# Altium PCB AFE.PcbDoc (part 2 of 2)
Units mm, origin at the board's own origin, x right, y up, seen from the top; angles counter-clockwise.
Board outline 100 x 70 mm, 4 copper layers (Top Layer, Ground, Signal, Bottom Layer), stack 0.778 mm thick; 154 components, 163 nets, 668 pads, 131 vias.
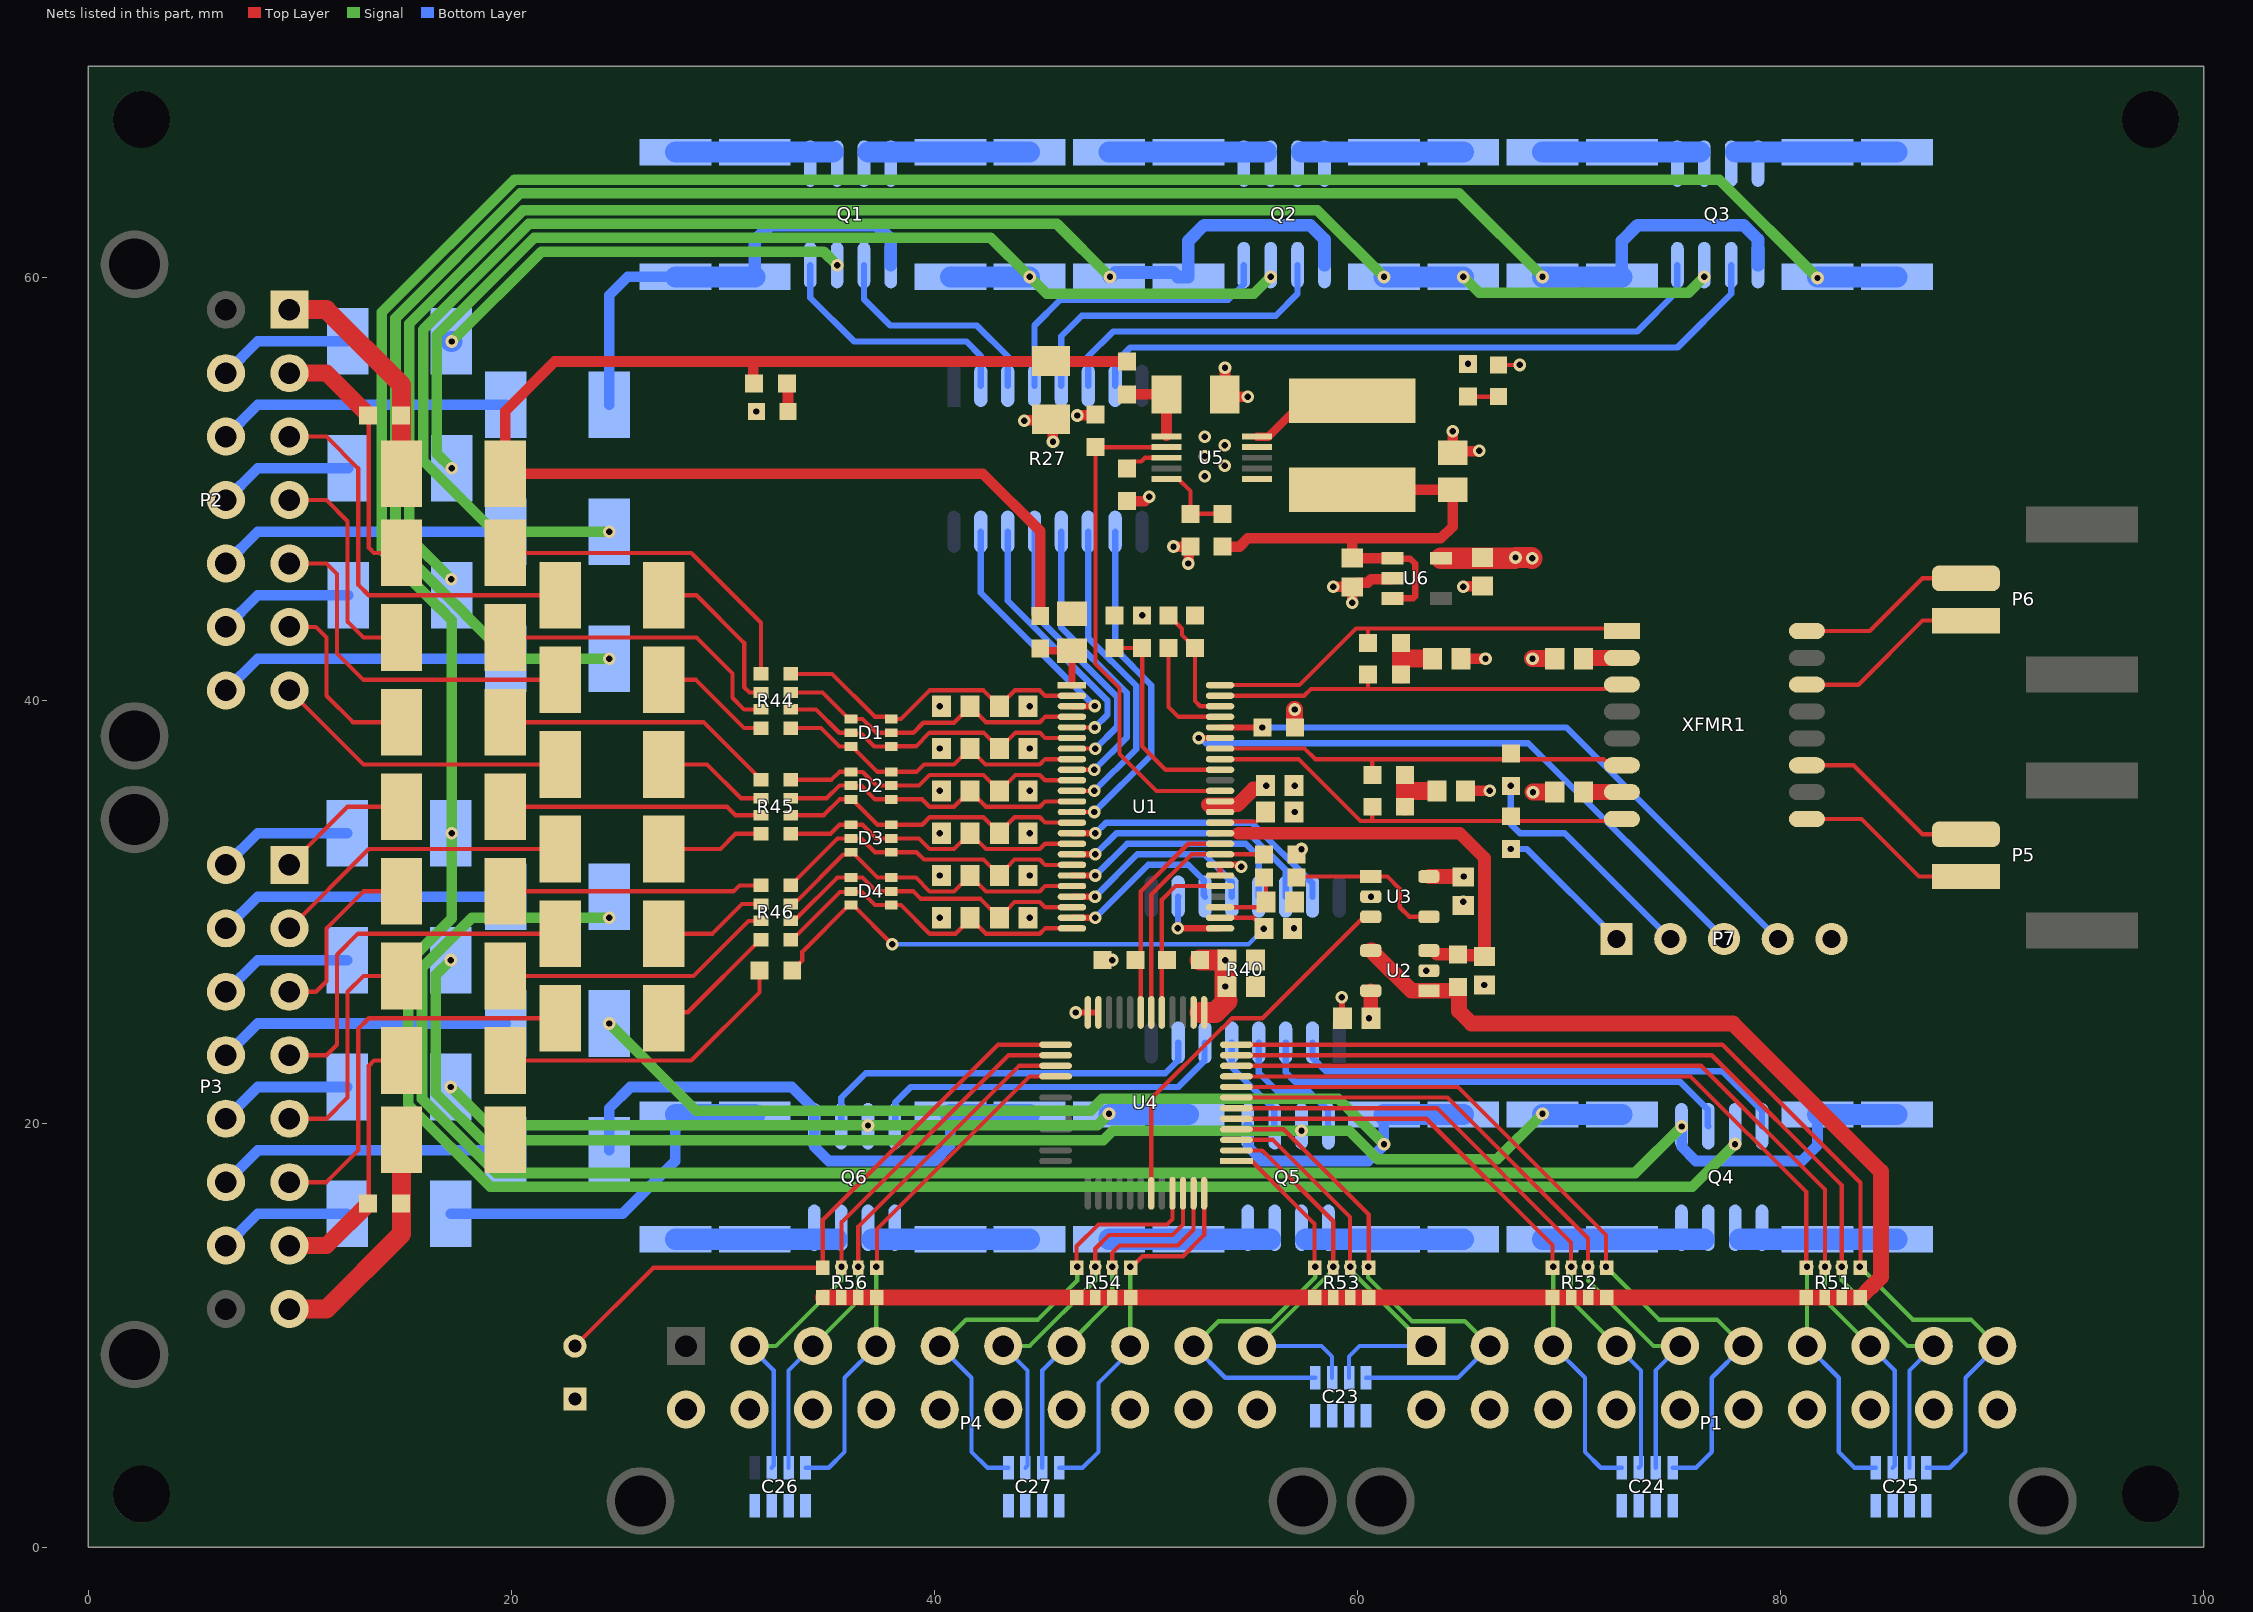
[diagram p4: the nets of this part, all layers, seen from the top]

## Part data (continued)
U5: "Buck Switching Regulator IC Positive Adjustable 0.8V 1 Output 100mA 10-TFSOP, 10-MSOP (0.118\", 3.00mm Width)", Current - Output=100mA, Frequency - Switching="100kHz ~ 2.2MHz", Manufacturer 1="Maxim Integrated", Manufacturer Part Number 1=MAX17552AUB+, Operating Temperature="-40°C ~ 125°C (TJ)", Package / Case="10-TFSOP, 10-MSOP (0.118\", 3.00mm Width)", Supplier Device Package=10-uMAX, Supplier Part Number 1=MAX17552AUB+-ND, Voltage - Input (Max)=60V, Voltage - Input (Min)=4V, Voltage - Output (Max)=54V, Voltage - Output (Min/Fixed)=0.8V, ComponentLink1Description=http://datasheets.maximintegrated.com/en/ds/MAX17552.pdf, ComponentLink1URL=http://datasheets.maximintegrated.com/en/ds/MAX17552.pdf, Function=Step-Down, Mounting Type="Surface Mount", Number of Outputs=1, Output Configuration=Positive, Output Type=Adjustable, Packaging=Tube, Part Status=Active, Supplier 1=Digi-Key, Synchronous Rectifier=Yes, Topology=Buck
U6: "Linear Voltage Regulator IC Positive Fixed Output 5V 100mA SOT-23-5", Current - Limit (Min)=-, Current - Output=100mA, Manufacturer 1=STMicroelectronics, Manufacturer Part Number 1=LD2981CM50TR, Operating Temperature="-40°C ~ 125°C", Package / Case="SC-74A, SOT-753", Supplier Device Package=SOT-23-5, Supplier Part Number 1=497-7787-1-ND, Voltage - Dropout (Typical)="0.18V @ 100mA", Voltage - Input="Up to 16V", Voltage - Output=5V, ComponentLink1Description=http://www.st.com/content/ccc/resource/technical/document/datasheet/group1/b7/b5/a1/83/9c/bd/4a/90/CD00001635/files/CD00001635.pdf/jcr:content/translations/en.CD00001635.pdf, ComponentLink1URL=http://www.st.com/content/ccc/resource/technical/document/datasheet/group1/b7/b5/a1/83/9c/bd/4a/90/CD00001635/files/CD00001635.pdf/jcr:content/translations/en.CD00001635.pdf, Mounting Type="Surface Mount", Packaging="Cut Tape (CT)", Part Status=Active, Regulator Topology="Positive Fixed", Supplier 1=Digi-Key
XFMR1: "PULSE XFMR 1CT:1CT 350UH SMD", Inductance=350uH, Isolation Voltage=1.5kVrms, Manufacturer="Bourns Inc.", Supplier Part Number 1=PT61018AAPEL-SCT-ND, MFG_PN=PT61018AAPEL-S, Supplier=Digikey, Supplier 1=Digi-Key, Supplier_PN=PT61018AAPEL-SCT-ND

## Free pads (board coordinates)
  round 2.7 hole 2.7: ""(2.5,2.5) ""(2.5,67.5) ""(97.5,2.5) ""(97.5,67.5)

## Via types
v1: diameter 0.6, hole 0.3, Top Layer to Bottom Layer, tented both sides, 54 vias
v2: diameter 0.6, hole 0.3, Top Layer to Bottom Layer, tented bottom, 51 vias
v3: diameter 0.6, hole 0.3, Top Layer to Bottom Layer, tented top, 26 vias

## Nets (pads, with @x,y where several pads share a name; then routed paths per layer and width w, separated by ;. In a path a pad name is that pad's centre, name@x,y a point inside that pad or via, vN(x,y) a via of type N, cw(c..) or ccw(c..) an arc to the next point about the centre after c; other vN are vias at no path point)
3V0_VREF1: C3.1 U1.35 | length 2.4
  Top Layer w0.2: U1.35@53.5,34.25 54.052,34.25 54.104,34.302 55.252,34.302 55.65,34.7 C3.1@55.65,34.75
3V0_VREF2: R12.2 R51.5 R51.6 R51.7 R51.8 R52.5 R52.6 R52.7 R52.8 R53.5 R53.6 R53.7 R53.8 R54.5 R54.6 R54.7 R54.8 R56.5 R56.6 R56.7 R56.8 U2.1 U2.4 | length 84.7
  Top Layer w0.75: R56.5@34.72,11.8 R56.6@35.6,11.8 R56.7@36.4,11.8 R56.8@37.28,11.8 R54.5@46.72,11.8 R54.6@47.6,11.8 R54.7@48.4,11.8 R54.8@49.28,11.8 R53.7@59.65,11.8 R52.5@69.22,11.8 R52.6@70.1,11.8 R52.7@70.9,11.8 R52.8@71.78,11.8 R51.5@81.22,11.8 R51.6@82.1,11.8 R51.7@82.9,11.8 R51.8@83.78,11.8 84.303,12.323 84.318,12.323 84.75,12.754 84.75,17.75 77.75,24.75 65.39,24.75 64.8,25.34 64.8,26.425 R12.2@64.75,26.475 64.575,26.3 U2.1@63.375,26.3 62.55,26.3 60.75,28.1 60.75,28.125 60.675,28.2 U2.4@60.625,28.2
3V0_VREF2_UNBUFFERED: C4.1 R12.1 U1.34 U2.3 | length 20.1
  Top Layer w0.3: U1.34@53.5,33.75 54.361,33.75
  Top Layer w0.6: 54.377,33.75 64.824,33.75 66,32.574 66,28.025 65.95,27.975 64.8,27.975 R12.1@64.75,28.025 64.745,28.03 63.745,28.03 U2.3@63.575,28.2
5V0: C1.1 C5.1 C28.1 C30.1 C31.1 C36.1 R1.2 R3.2 R4.2 R5.1 R7.1 R10.2 U1.36 U1.37 U2.5 U3.5 U4.13 U4.14 U6.5 | length 16
  Top Layer w0.7: 52.955,35.098 54.335,35.098 55.087,35.85 55.55,35.85 55.684,35.984 v2(55.684,36) C5.1@55.65,36 ; C1.1@60.64,25 60.625,25.015 U2.5@60.625,26.3 U2.5@60.675,26.25 ; U3.5@63.375,31.7 v2(65.017,31.7)
  Top Layer w0.8: v1(57.027,39.598) 57.027,38.773 R7.1@57.05,38.75
  Top Layer w1: R4.2@52.55,27.75 v2(53.75,27.75) v2(53.75,26.5) 53.75,25.9 53.825,25.825 53.275,25.275 U4.13@52.75,25.275 52.552,25.275 ; U6.5@63.95,46.75 v1@67.433,46.75 ; v1(67.466,46.784) 68.221,46.784 v1(68.255,46.75)
  other v1: 65.225,55.94
  other v2: 60.54,25 48.4,27.75 57.355,32.998 49.817,44.05
+6V: C34.1 C35.1 L1.2 R60.2 U6.1 U6.3 | length 24.5
  Top Layer w0.3: U6.3@61.65,44.85 62.634,44.85 62.733,44.949 62.733,46.49 62.5,46.723 61.677,46.723 U6.1@61.65,46.75
  Top Layer w0.5: R60.2@53.608,47.3 54.42,47.3 54.806,47.686 63.94,47.686 64.5,48.246 C34.1@64.5,49.99 59.75,49.99 L1.2@59.75,50.08 ; 59.75,47.655 C35.1@59.75,46.75 U6.1@61.65,46.75
AFE_CELL_INPUT_0: C9.1 D4.3 R43.2 U1.26 | length 27.2
  Top Layer w0.2: R43.2@33.275,27.25 33.75,27.725 33.75,28.14 35.96,30.35 D4.3@36.05,30.35 36.14,30.35 37.99,28.5 v1(38,28.5) ; U1.26@53.5,29.75 55.075,29.75 55.175,29.65 55.225,29.65 55.575,29.3 C9.1@55.575,29.25 v2(55.575,29.229) C9.1@55.575,29.208
  Bottom Layer w0.2: v1(38,28.5) 54.846,28.5 v2(55.575,29.229)
AFE_CELL_INPUT_1: C18.1 D4.2 D4.4 R46.5 U1.24 | length 15.8
  Top Layer w0.2: R46.5@33.2,28.72 33.42,28.94 33.497,28.94 35.525,30.969 36.019,30.969 D4.2@36.05,31 36.081,30.969 36.571,30.969 37.189,30.35 D4.4@37.95,30.35 38.418,30.35 39.77,28.998 40.998,28.998 41.712,29.713 42.427,28.998 44.98,28.998 45.232,29.25 U1.24@46.5,29.25
AFE_CELL_INPUT_2: C15.1 D4.1 D4.5 R46.6 U1.22 | length 15.4
  Top Layer w0.2: R46.6@33.2,29.6 33.35,29.75 33.507,29.75 35.406,31.649 D4.1@36.05,31.65 36.601,31.649 37.25,31 D4.5@37.95,31 39,31 39.355,30.645 42.18,30.645 C15.1@43.075,29.75 43.777,30.502 44.98,30.502 45.232,30.25 U1.22@46.5,30.25
AFE_CELL_INPUT_3: C12.1 D3.3 D4.6 R46.7 U1.20 | length 15.8
  Top Layer w0.2: R46.7@33.2,30.4 33.35,30.55 33.497,30.55 35.687,32.74 36.03,32.74 36.14,32.85 36.175,32.815 36.175,32.785 37.31,31.65 D4.6@37.95,31.65 39.118,31.65 39.77,30.998 40.923,30.998 C12.1@41.675,31.75 41.677,31.752 42.432,30.998 44.98,30.998 45.232,31.25 U1.20@46.5,31.25
AFE_CELL_INPUT_4: C8.1 D3.2 D3.4 R46.8 U1.18 | length 15.4
  Top Layer w0.2: R46.8@33.2,31.28 35.42,33.5 D3.2@36.05,33.5 36.539,33.5 37.189,32.85 D3.4@37.95,32.85 39.15,32.85 39.498,32.502 42.323,32.502 C8.1@43.075,31.75 43.777,32.502 44.98,32.502 45.232,32.25 U1.18@46.5,32.25
AFE_CELL_INPUT_5: C17.1 D3.1 D3.5 R45.5 U1.16 | length 14.7
  Top Layer w0.2: R45.5@33.2,33.72 35.08,33.72 35.509,34.149 D3.1@36.05,34.15 36.601,34.149 37.25,33.5 D3.5@37.95,33.5 39.268,33.5 39.77,32.998 40.923,32.998 C17.1@41.675,33.75 41.677,33.752 42.432,32.998 44.98,32.998 45.232,33.25 U1.16@46.5,33.25
AFE_CELL_INPUT_6: C14.1 D2.3 D3.6 R45.6 U1.14 | length 15
  Top Layer w0.2: R45.6@33.2,34.6 34.76,34.6 35.51,35.35 D2.3@36.05,35.35 36.14,35.35 36.175,35.315 36.175,35.285 37.31,34.15 D3.6@37.95,34.15 39.418,34.15 39.77,34.502 42.323,34.502 43.051,33.774 43.779,34.502 44.98,34.502 45.232,34.25 U1.14@46.5,34.25
AFE_CELL_INPUT_7: C11.1 D2.2 D2.4 R45.7 U1.12 | length 14.7
  Top Layer w0.2: R45.7@33.2,35.4 34.902,35.4 35.502,36 D2.2@36.05,36 36.081,35.969 36.571,35.969 37.189,35.35 D2.4@37.95,35.35 39.418,35.35 39.77,34.998 40.923,34.998 C11.1@41.675,35.75 42.427,34.998 44.98,34.998 45.232,35.25 U1.12@46.5,35.25
AFE_CELL_INPUT_8: C7.1 D2.1 D2.5 R45.8 U1.10 | length 14.7
  Top Layer w0.2: R45.8@33.2,36.28 35.132,36.28 35.502,36.65 D2.1@36.05,36.65 36.051,36.649 36.606,36.649 37.255,36 D2.5@37.95,36 39.268,36 39.77,36.502 42.323,36.502 C7.1@43.075,35.75 43.827,36.502 44.98,36.502 45.232,36.25 U1.10@46.5,36.25
AFE_CELL_INPUT_9: C16.1 D1.3 D2.6 R44.5 U1.8 | length 15
  Top Layer w0.2: R44.5@33.2,38.72 34.64,38.72 35.51,37.85 D1.3@36.05,37.85 36.14,37.85 36.175,37.815 36.175,37.785 37.31,36.65 D2.6@37.95,36.65 39.15,36.65 39.498,36.998 40.923,36.998 41.666,37.741 42.41,36.998 44.98,36.998 45.232,37.25 U1.8@46.5,37.25
AFE_CELL_INPUT_10: C13.1 D1.2 D1.4 R44.6 U1.6 | length 15
  Top Layer w0.2: R44.6@33.2,39.6 34.4,39.6 35.5,38.5 D1.2@36.05,38.5 36.085,38.465 36.535,38.465 37.15,37.85 D1.4@37.95,37.85 37.955,37.855 39.123,37.855 39.77,38.502 42.323,38.502 C13.1@43.075,37.75 43.827,38.502 44.98,38.502 45.232,38.25 U1.6@46.5,38.25
AFE_CELL_INPUT_11: C10.1 D1.1 D1.5 R44.7 U1.4 | length 15
  Top Layer w0.2: R44.7@33.2,40.4 34.7,40.4 35.84,39.26 35.94,39.26 D1.1@36.05,39.15 36.051,39.149 36.601,39.149 37.25,38.5 D1.5@37.95,38.5 39,38.5 39.47,38.97 40.927,38.97 41.691,39.734 42.427,38.998 44.98,38.998 45.232,39.25 U1.4@46.5,39.25
AFE_CELL_INPUT_12: C6.1 D1.6 R44.8 U1.2 | length 15.5
  Top Layer w0.2: R44.8@33.2,41.28 35.157,41.28 37.177,39.26 37.84,39.26 D1.6@37.95,39.15 38.418,39.15 39.77,40.502 42.323,40.502 43.058,39.767 43.794,40.502 44.98,40.502 45.232,40.25 U1.2@46.5,40.25
AFE_TEMP_MUX_DIN: R3.1 U1.32 U4.18 | length 11.7
  Top Layer w0.2: U4.18@50.25,25.25 U4.18@50.25,25.275 50.25,30.852 52.148,32.75 U1.32@53.5,32.75 55.565,32.75 R3.1@55.575,32.74
AFE_TEMP_MUX_OUTPUT: U3.3 U4.43 | length 18.4
  Top Layer w0.2: U4.43@50.25,16.75 50.25,21.202 53.571,24.523 53.587,24.523 54.064,25 55.5,25 60.3,29.8 U3.3@60.625,29.8
AFE_TEMP_MUX_S\Y\N\C\: R4.1 U1.29 U4.17 | length 8.4
  Top Layer w0.2: U4.17@50.75,25.25 U4.17@50.75,25.275 50.75,27.75 50.75,30.602 51.398,31.25 U1.29@53.5,31.25
AFE_TEMP_MUX_SCLK: R1.1 U1.33 U4.19 | length 10.4
  Top Layer w0.2: U4.19@49.75,25.25 U4.19@49.75,25.275 49.75,27.75 49.75,31 52,33.25 U1.33@53.5,33.25
BAL_CONTROL_1: R40.10 U1.25 | length 3.8
  Top Layer w0.3: v1(51.5,29.25) 51.5,29.426 51.588,29.338 51.676,29.25 U1.25@53.5,29.25
  Bottom Layer w0.3: v1(51.5,29.25) 51.51,29.26 51.51,30.74 R40.10@51.52,30.75
BAL_CONTROL_2: R40.11 U1.23 | length 8.4
  Top Layer w0.3: U1.23@46.5,29.75 v1(47.608,29.75)
  Bottom Layer w0.3: v1(47.608,29.75) 50.108,32.25 52,32.25 52.727,31.523 52.727,30.813 R40.11@52.79,30.75
BAL_CONTROL_3: R40.12 U1.21 | length 9.6
  Top Layer w0.3: U1.21@46.5,30.75 v1(47.591,30.75)
  Bottom Layer w0.3: v1(47.591,30.75) 49.591,32.75 52.75,32.75 54.06,31.44 R40.12@54.06,30.75
BAL_CONTROL_4: R40.13 U1.19 | length 11.6
  Top Layer w0.3: U1.19@46.5,31.75 v1(47.605,31.75)
  Bottom Layer w0.3: v1(47.605,31.75) 49.105,33.25 54.72,33.25 55.33,32.64 R40.13@55.33,30.75
BAL_CONTROL_5: R40.14 U1.17 | length 12.5
  Top Layer w0.3: U1.17@46.5,32.75 v1(47.608,32.75)
  Bottom Layer w0.3: v1(47.608,32.75) 48.608,33.75 54.86,33.75 56.6,32.01 R40.14@56.6,30.75
BAL_CONTROL_6: R40.15 U1.15 | length 13.4
  Top Layer w0.3: U1.15@46.5,33.75 v1(47.608,33.75)
  Bottom Layer w0.3: v1(47.608,33.75) 48.108,34.25 55,34.25 57.87,31.38 R40.15@57.87,30.75
BAL_CONTROL_7: R27.10 U1.13 | length 16.1
  Top Layer w0.2: U1.13@46.5,34.75 v1(47.56,34.75)
  Bottom Layer w0.3: v1(47.56,34.75) 50.25,37.44 50.25,40.75 48.54,42.46 R27.10@48.54,48
BAL_CONTROL_8: R27.11 U1.11 | length 15.1
  Top Layer w0.2: U1.11@46.5,35.75 v1(47.56,35.75)
  Bottom Layer w0.3: R27.11@47.27,48 47.27,42.98 49.536,40.714 49.536,37.726 v1(47.56,35.75)
BAL_CONTROL_9: R27.12 U1.9 | length 14.2
  Top Layer w0.2: U1.9@46.5,36.75 v1(47.56,36.75)
  Bottom Layer w0.3: R27.12@46,48 46,43.475 49.084,40.391 49.084,38.274 v1(47.56,36.75)
BAL_CONTROL_10: R27.13 U1.7 | length 13.4
  Top Layer w0.2: U1.7@46.5,37.75 47.591,37.75 v1(47.6,37.741)
  Bottom Layer w0.3: R27.13@44.73,48 44.73,44.105 48.632,40.204 48.632,38.773 v1(47.6,37.741)
BAL_CONTROL_11: R27.14 U1.5 | length 12.5
  Top Layer w0.2: U1.5@46.5,38.75 v1(47.577,38.75)
  Bottom Layer w0.3: R27.14@43.46,48 43.46,44.735 48.179,40.016 48.179,39.352 v1(47.577,38.75)
BAL_CONTROL_12: R27.15 U1.3 | length 11.6
  Top Layer w0.3: U1.3@46.5,39.75 47.56,39.75 v1(47.577,39.767)
  Bottom Layer w0.3: R27.15@42.19,48 42.19,45.12 47.544,39.767 v1(47.577,39.767)
BAL_INPUT_0: F13.1 P3.15 | length 6.3
  Bottom Layer w0.5: P3.15@6.5,14.25 8,15.75 F13.1@12.225,15.75
BAL_INPUT_1: F12.1 P3.14 | length 13.8
  Bottom Layer w0.5: P3.14@6.5,17.25 8,18.75 F12.1@19.725,18.75
BAL_INPUT_2: F11.1 P3.13 | length 6.3
  Bottom Layer w0.5: P3.13@6.5,20.25 8,21.75 F11.1@12.225,21.75
BAL_INPUT_3: F10.1 P3.12 | length 13.8
  Bottom Layer w0.5: P3.12@6.5,23.25 8,24.75 F10.1@19.725,24.75
BAL_INPUT_4: F9.1 P3.11 | length 6.3
  Bottom Layer w0.5: P3.11@6.5,26.25 8,27.75 F9.1@12.225,27.75
BAL_INPUT_5: F8.1 P3.10 | length 13.8
  Bottom Layer w0.5: P3.10@6.5,29.25 8,30.75 F8.1@19.725,30.75
BAL_INPUT_6: F7.1 P3.9 | length 6.3
  Bottom Layer w0.5: P3.9@6.5,32.25 8,33.75 F7.1@12.225,33.75
BAL_INPUT_6_FUSED: F7.2 Q4.3 R20.1 R26.1 | length 181
  Signal w0.5: v3(77.85,19.05) 75.83,17.03 19.006,17.03 15.118,20.919 15.118,27.659 17.175,29.716 v3(17.175,33.75) 17.175,43.825 16.605,44.395 16.589,44.395 13.863,47.121 13.863,58.372 20.144,64.652 77.098,64.652 v3(81.75,60)
  Bottom Layer w1: R26.1@81.75,60.05 R20.1@85.5,60.05
BAL_INPUT_7: F6.1 P2.14 | length 13.8
  Bottom Layer w0.5: P2.14@6.5,40.5 8,42 F6.1@19.725,42
BAL_INPUT_8: F5.1 P2.13 | length 6.4
  Bottom Layer w0.5: P2.13@6.5,43.5 8,45 F5.1@12.275,45
BAL_INPUT_9: F4.1 P2.12 | length 13.8
  Bottom Layer w0.5: P2.12@6.5,46.5 8,48 F4.1@19.725,48
BAL_INPUT_10: F3.1 P2.11 | length 6.4
  Bottom Layer w0.5: P2.11@6.5,49.5 8,51 F3.1@12.275,51
BAL_INPUT_11: F2.1 P2.10 | length 13.8
  Bottom Layer w0.5: P2.10@6.5,52.5 8,54 F2.1@19.725,54
BAL_INPUT_12: F1.1 P2.9 | length 6.4
  Bottom Layer w0.5: P2.9@6.5,55.5 8,57 F1.1@12.25,57
CELL_INPUT_0: F27.1 P3.7 R41.1 | length 12.8
  Top Layer w0.2: R41.1@13.25,16.25 13.25,22.75 13.5,23 F27.1@14.8,23
  Top Layer w0.75: R41.1@13.202,16.227 R41.1@13.225,16.25
  Top Layer w0.8: P3.7@9.5,14.25 11.25,14.25 R41.1@13.25,16.25
CELL_INPUT_1: F26.1 P3.6 | length 19.4
  Top Layer w0.2: P3.6@9.5,17.25 11.25,17.25 12.75,18.75 12.75,24.5 13.25,25 F26.1@22.3,25
CELL_INPUT_2: F25.1 P3.5 | length 11
  Top Layer w0.2: P3.5@9.5,20.25 11.25,20.25 12.25,21.25 12.25,26.25 13,27 F25.1@14.8,27
CELL_INPUT_3: F24.1 P3.4 | length 17.7
  Top Layer w0.2: P3.4@9.5,23.25 11.25,23.25 11.75,23.75 11.75,28 12.75,29 F24.1@22.3,29
CELL_INPUT_4: F23.1 P3.3 | length 8.7
  Top Layer w0.2: P3.3@9.5,26.25 10.75,26.25 11.25,26.75 11.25,29.25 13,31 F23.1@14.8,31
CELL_INPUT_5: F22.1 P3.2 | length 14.4
  Top Layer w0.2: P3.2@9.5,29.25 13.25,33 F22.1@22.3,33
CELL_INPUT_6: F21.1 P3.1 | length 6.4
  Top Layer w0.2: P3.1@9.5,32.25 12.25,35 F21.1@14.8,35
CELL_INPUT_7: F20.1 P2.7 | length 14.2
  Top Layer w0.2: P2.7@9.5,40.5 13,37 F20.1@22.3,37
CELL_INPUT_8: F19.1 P2.6 | length 8.8
  Top Layer w0.2: P2.6@9.5,43.5 10.75,43.5 11.25,43 11.25,40.25 12.5,39 F19.1@14.8,39
CELL_INPUT_9: F18.1 P2.5 | length 17.3
  Top Layer w0.2: P2.5@9.5,46.5 11.25,46.5 11.75,46 11.75,42.25 13,41 F18.1@22.3,41
CELL_INPUT_10: F17.1 P2.4 | length 10.8
  Top Layer w0.2: P2.4@9.5,49.5 11.25,49.5 12.25,48.5 12.25,43.75 13,43 F17.1@14.8,43
CELL_INPUT_11: F16.1 P2.3 | length 19.1
  Top Layer w0.2: P2.3@9.5,52.5 11.25,52.5 12.75,51 12.75,45.5 13.25,45 F16.1@22.3,45
CELL_INPUT_12: F15.1 P2.2 R42.2 | length 12.5
  Top Layer w0.2: R42.2@13.25,53.5 13.25,47.25 13.5,47 F15.1@14.8,47
  Top Layer w0.8: P2.2@9.5,55.5 11.25,55.5 R42.2@13.25,53.5
FB: R60.1 R61.1 U5.5 | length 4
  Top Layer w0.2: U5.5@50.968,50.5 51.528,50.5 52.108,49.92 R61.1@52.108,48.85 R60.1@53.608,48.85
FUSED_VBAT+: C32.1 F28.2 R2.1 R6.1 R57.1 | length 64.7
  Top Layer w0.5: R2.1@31.475,55 31.432,55.043 31.432,55.868 31.25,56.05 ; R6.1@45,44.275 45,48.035 42.285,50.75 F28.2@19.7,50.75 19.7,53.7 22.05,56.05 31.25,56.05 ; R57.1@49.108,56.05 45.5,56.05 31.432,56.05 31.25,56.05
FUSED_VBAT-: C1.2 C2.2 C3.2 C4.2 C5.2 C6.2 C7.2 C8.2 C9.2 C10.2 C11.2 C12.2 C13.2 C14.2 C15.2 C16.2 C17.2 C18.2 C19.2 C20.2 C21.2 C22.2 C23.1 C23.2 C23.3 C23.4 C24.1 C24.2 C24.3 C24.4 C25.1 C25.2 C25.3 C25.4 C26.1 C26.2 C26.3 C26.4 C27.1 C27.2 C27.3 C27.4 C28.2 C29.2 C30.2 C31.2 C32.2 C33.2 C34.2 C35.2 C36.2 F14.2 LED1.2 LED2.2 P1.11 P1.12 P1.13 P1.14 P1.15 P1.16 P1.17 P1.18 P1.19 P1.20 P4.11 P4.12 P4.13 P4.14 P4.15 P4.16 P4.17 P4.18 P4.19 P4.20 P7.5 R8.1 R14.2 R58.2 R59.2 R61.2 RT1.1 U1.30 U1.31 U2.2 U3.2 U4.23 U4.24 U5.6 U5.9 U6.2 | length 24.3
  Top Layer w0.2: LED2.2@66.675,55.89 v1(67.675,55.89)
  Top Layer w0.3: v1@46.675,25.275 U4.24@47.25,25.275 U4.23@47.75,25.275 ; U1.30@53.5,31.75 U1.31@53.5,32.25 54.339,32.25 54.419,32.17 v1(54.5,32.17) ; v1(59.25,26) 59.264,25.986 59.264,25.026 C1.2@59.29,25
  Top Layer w0.5: v1(44.25,53.25) 44.269,53.269 45.444,53.269 C32.2@45.5,53.325 45.6,53.225 v1(45.6,52.25) ; v1(46.75,53.5) 46.769,53.519 47.577,53.519 R58.2@47.608,53.55 ; R59.2@49.108,49.45 49.119,49.439 49.936,49.439 v1(50.148,49.65) ; v1(51.298,47.3) R61.2@52.108,47.3 52.019,47.212 52.019,46.519 v1(52,46.5) ; v1(53.734,55.75) 53.734,54.516 C33.2@53.718,54.5 53.828,54.39 v1(54.806,54.39) ; v1(58.848,45.4) C35.2@59.75,45.4 ; v1(59.75,44.649) C35.2@59.75,45.4 ; U6.2@61.65,45.8 61.6,45.75 60.64,45.75 60.49,45.6 59.95,45.6 C35.2@59.75,45.4 ; v1(64.5,52.75) C34.2@64.5,51.74 64.571,51.811 65.731,51.811 v1(65.75,51.83) ; C19.2@64.9,42 v1(66.05,42) ; v1(65,45.4) 65.017,45.417 C36.2@65.888,45.417 ; C20.2@65.14,35.75 v1(66.25,35.75)
  Top Layer w0.8: v1(68.275,42) C21.2@69.325,42 ; v1(68.3,35.69) C22.2@69.325,35.69
  other v1: 46.675,25.275 52.784,50.62 53.718,51.124 52.784,51.576 53.718,52.09 52.784,52.5
  other v2: 66,26.575 63.25,27.25 57,29.25 40.25,29.75 44.5,29.75 65,30.502 60.64,30.75 40.25,31.75 44.5,31.75 40.25,33.75 44.5,33.75 57.027,34.75 40.25,35.75 44.5,35.75 57.027,36 40.25,37.75 44.5,37.75 40.25,39.75 44.5,39.75 31.575,53.69
IA_N: R11.1 R50.2 U1.41 XFMR1.8 | length 20.9
  Top Layer w0.2: U1.41@53.5,37.25 57.216,37.25 60.143,34.323 60.7,34.323 ; R50.2@60.7,35 60.7,34.323 ; XFMR1.8@72.513,34.407 XFMR1.8@72.5,34.42 72.403,34.323 67.25,34.323 60.7,34.323
IA_P: R9.1 R49.1 U1.42 XFMR1.6 | length 20.1
  Top Layer w0.2: U1.42@53.5,37.75 57.5,37.75 58,37.25 60.7,37.25 ; R49.1@60.7,36.5 60.7,37.25 ; XFMR1.6@72.5,36.96 71.925,36.96 71.635,37.25 67.25,37.25 60.7,37.25
IB_N: R48.2 U1.47 XFMR1.3 | length 19.9
  Top Layer w0.2: U1.47@53.5,40.25 57.477,40.25 57.8,40.573 60.5,40.573 ; R48.2@60.5,41.25 60.5,40.573 ; XFMR1.3@72.5,40.77 71.878,40.77 71.681,40.573 60.5,40.573
IB_P: R47.1 U1.48 XFMR1.1 | length 20.9
  Top Layer w0.2: U1.48@53.5,40.75 57.25,40.75 59.927,43.427 60.5,43.427 72.383,43.427 72.446,43.364 XFMR1.1@72.5,43.31 XFMR1.1@72.5,43.417 ; R47.1@60.5,42.75 60.5,43.417
ISOSPI_IA_N: P5.1 XFMR1.9 | length 8.6
  Top Layer w0.2: XFMR1.9@81.25,34.42 83.83,34.42 86.55,31.7 P5.1@88.77,31.7
ISOSPI_IA_P: P5.2 XFMR1.11 | length 8.9
  Top Layer w0.2: XFMR1.11@81.25,36.96 83.45,36.96 86.71,33.7 P5.2@88.77,33.7
ISOSPI_IB_N: P6.1 XFMR1.14 | length 8.8
  Top Layer w0.2: XFMR1.14@81.25,40.77 83.68,40.77 86.71,43.8 P6.1@88.77,43.8
ISOSPI_IB_P: P6.2 XFMR1.16 | length 8.6
  Top Layer w0.2: XFMR1.16@81.25,43.31 84.22,43.31 86.71,45.8 P6.2@88.77,45.8
LX: L1.1 U5.10 | length 5.3
  Top Layer w0.4: U5.10@55.248,52.5 55.788,52.5 57.477,54.19 59.41,54.19 L1.1@59.75,53.85
NetC2_1: C2.1 R6.2 U1.1 | length 3.2
  Top Layer w0.35: R6.2@45,42.475 45.1,42.375 C2.1@46.5,42.375 U1.1@46.5,40.75
NetC19_1: C19.1 R47.2 R48.1 | length 3
  Top Layer w0.85: R48.1@62.05,41.25 62.05,42 ; R47.2@62.05,42.75 62.05,42 ; C19.1@63.55,42 62.05,42
NetC20_1: C20.1 R49.2 R50.1 | length 3
  Top Layer w0.85: R50.1@62.25,35 62.25,35.75 ; R49.2@62.25,36.5 62.25,35.75 ; C20.1@63.75,35.75 62.25,35.75
NetC21_1: C21.1 XFMR1.2 | length 1.8
  Top Layer w0.2: C21.1@70.675,42 C21.1@70.715,42.04
  Top Layer w0.75: C21.1@70.715,42.04 XFMR1.2@72.5,42.04
NetC22_1: C22.1 XFMR1.7 | length 1.8
  Top Layer w0.75: C22.1@70.675,35.69 XFMR1.7@72.5,35.69
NetC29_1: C29.1 R55.2 U1.27 | length 3.5
  Top Layer w0.2: U1.27@53.5,30.25 55.424,30.25 C29.1@55.677,30.502 55.677,31.549 R55.2@55.577,31.649
NetC33_1: C33.1 R57.2 U5.1 | length 3.8
  Top Layer w0.5: R57.2@49.108,54.5 C33.1@50.968,54.5 U5.1@50.968,52.542
NetF1_2: F1.2 Q1.3 | length 20.3
  Signal w0.5: v3(17.175,57) 21.425,61.25 34.751,61.25 v3(35.395,60.606)
  Bottom Layer w1: F1.2@17.15,57 v3(17.175,57)
NetF2_2: F2.2 Q1.1 R15.1 R21.1 | length 22.4
  Bottom Layer w0.5: F2.2@24.625,54 24.625,59.175 25.5,60.05 R15.1@27.75,60.05
  Bottom Layer w0.6: R21.1@31.5,60.05 31.5,61.75 32.25,62.5 37.25,62.5 37.935,61.815 Q1.1@37.935,60.606
  Bottom Layer w1: R15.1@27.75,60.05 R21.1@31.5,60.05
NetF3_2: F3.2 Q2.3 R16.1 R22.1 | length 53.1
  Signal w0.5: v3(17.175,51) 16.473,51.702 16.473,57.291 21.084,61.902 42.648,61.902 v3(44.5,60.05) 45.3,59.25 55.095,59.25 v3(55.895,60.05)
  Bottom Layer w1: R16.1@40.75,60.05 v3(44.5,60.05)
NetF4_2: F4.2 Q2.1 R17.1 R23.1 | length 65.8
  Signal w0.5: v3(24.625,48) 19.182,48 15.82,51.361 15.82,57.561 20.814,62.555 45.79,62.555 v3(48.294,60.05)
  Bottom Layer w0.6: R17.1@48.25,60.05 v3(48.294,60.05) 48.339,60.05 48.548,60.26 51.295,60.26 51.505,60.05 R23.1@52,60.05 52,61.75 52.75,62.5 57.75,62.5 58.435,61.815 Q2.1@58.435,60.606
NetF5_2: F5.2 Q3.3 R18.1 R24.1 | length 78.3
  Signal w0.5: v3(17.15,45.75) 15.168,47.732 15.168,57.831 20.544,63.207 58.093,63.207 v3(61.25,60.05) ; v3(65,60.05) 65.75,59.3 75.65,59.3 v3(76.4,60.05)
  Bottom Layer w1: v3(61.25,60.05) v3(65,60.05)
NetF6_2: F6.2 Q3.1 R19.1 R25.1 | length 95.1
  Signal w0.5: v3(24.625,42) 19.907,42 17.827,44.079 17.827,44.095 16.875,45.048 16.859,45.048 14.515,47.391 14.515,58.102 20.414,64 64.8,64 v3(68.75,60.05)
  Bottom Layer w0.6: R19.1@72.5,60.05 72.5,61.75 73.25,62.5 78.25,62.5 78.935,61.815 Q3.1@78.935,60.606
  Bottom Layer w1: v3(68.75,60.05) R19.1@72.5,60.05
NetF8_2: F8.2 Q4.1 R28.1 R34.1 | length 91.1
  Signal w0.5: v3(24.625,29.75) 18.132,29.75 15.77,27.389 15.77,21.189 19.276,17.683 73.123,17.683 v3(75.325,19.884)
  Bottom Layer w0.5: Q4.1@75.315,19.894 v3(75.325,19.884) 75.334,19.875 75.334,18.916 76,18.25 81,18.25 81.75,19 R34.1@81.75,20.45
  Bottom Layer w1: R34.1@81.75,20.45 R28.1@85.5,20.45
NetF9_2: F9.2 Q5.3 R29.1 R35.1 | length 65.2
  Signal w0.5: v3(17.125,27.75) 16.423,27.048 16.423,21.459 18.653,19.229 47.979,19.229 48.43,19.68 v3(57.355,19.68) 59.614,19.68 60.959,18.335 66.598,18.335 v3(68.75,20.487)
  Bottom Layer w1: R35.1@68.75,20.45 R29.1@72.5,20.45
NetF10_2: F10.2 Q5.1 R30.1 R36.1 | length 52.6
  Signal w0.5: v3(24.625,24.75) 28.741,20.634 47.384,20.634 47.94,21.19 59.098,21.19 v3(61.25,19.037)
  Bottom Layer w0.5: Q5.1@54.815,19.894 54.834,19.875 54.834,18.916 55.5,18.25 60.5,18.25 61.25,19 v3(61.25,19.037) R36.1@61.25,20.45
  Bottom Layer w1: R36.1@61.25,20.45 R30.1@65,20.45
NetF11_2: F11.2 Q6.3 R31.1 R37.1 | length 35.9
  Signal w0.5: v3(17.125,21.75) 18.944,19.931 v3(36.855,19.931) 47.694,19.931 v3(48.25,20.487)
  Bottom Layer w1: R31.1@48.25,20.45 R37.1@52,20.45
NetF12_2: F12.2 Q6.1 R32.1 R38.1 | length 26.5
  Bottom Layer w0.5: F12.2@24.625,18.75 24.625,20.75 25.625,21.75 33.25,21.75 34.315,20.685 Q6.1@34.315,19.894 34.315,18.935 35,18.25 40,18.25 40.75,19 R32.1@40.75,20.45
  Bottom Layer w1: R32.1@40.75,20.45 R38.1@44.5,20.45
NetF13_2: F13.2 R33.1 R39.1 | length 17.6
  Bottom Layer w0.5: F13.2@17.125,15.75 25.25,15.75 27.75,18.25 R33.1@27.75,20.45
  Bottom Layer w1: R33.1@27.75,20.45 R39.1@31.5,20.45
NetF14_1: F14.1 P3.8 R41.2 | length 11.2
  Top Layer w0.9: P3.8@9.5,11.25 11.25,11.25 14.8,14.8 F14.1@14.8,19.25
NetF15_2: F15.2 R44.1 | length 15.9
  Top Layer w0.2: F15.2@19.7,47 28.5,47 31.8,43.7 R44.1@31.8,41.28
NetF16_2: F16.2 R44.2 | length 7.7
  Top Layer w0.2: F16.2@27.2,45 28.75,45 31,42.75 31,40.65 31.25,40.4 R44.2@31.8,40.4
NetF17_2: F17.2 R44.3 | length 14.2
  Top Layer w0.2: F17.2@19.7,43 28.75,43 30.448,41.302 30.448,40.152 31,39.6 R44.3@31.8,39.6
NetF18_2: F18.2 R44.4 | length 5.5
  Top Layer w0.2: F18.2@27.2,41 28.72,41 31,38.72 R44.4@31.8,38.72
NetF19_2: F19.2 R45.1 | length 13.2
  Top Layer w0.2: F19.2@19.7,39 29.08,39 R45.1@31.8,36.28
NetF20_2: F20.2 R45.2 | length 5.3
  Top Layer w0.2: F20.2@27.2,37 29.25,37 30.85,35.4 R45.2@31.8,35.4
NetF21_2: F21.2 R45.3 | length 12.3
  Top Layer w0.2: F21.2@19.7,35 30.198,35 30.598,34.6 R45.3@31.8,34.6
NetF22_2: F22.2 R45.4 | length 4.9
  Top Layer w0.2: F22.2@27.2,33 29.878,33 30.598,33.72 R45.4@31.8,33.72
NetF23_2: F23.2 R46.1 | length 12.2
  Top Layer w0.2: F23.2@19.7,31 30.5,31 30.78,31.28 R46.1@31.8,31.28
NetF24_2: F24.2 R46.2 | length 5.2
  Top Layer w0.2: F24.2@27.2,29 29.5,29 30.9,30.4 R46.2@31.8,30.4
NetF25_2: F25.2 R46.3 | length 13.2
  Top Layer w0.2: F25.2@19.7,27 28.61,27 31.21,29.6 R46.3@31.8,29.6
NetF26_2: F26.2 R46.4 | length 6.1
  Top Layer w0.2: F26.2@27.2,25 27.483,25.283 28.333,25.283 31.77,28.72 R46.4@31.8,28.72
NetF27_2: F27.2 R43.1 | length 14.4
  Top Layer w0.2: F27.2@19.7,23 28.5,23 31.725,26.225 R43.1@31.725,27.25
NetF28_1: F28.1 P2.1 R42.1 | length 12.4
  Top Layer w0.9: P2.1@9.5,58.5 11.25,58.5 14.8,54.95 ; F28.1@14.8,50.75 14.8,54.95 ; R42.1@14.8,53.5 14.8,54.95
NetLED1_1: LED1.1 R2.2 | length 1.3
  Top Layer w0.2: R2.2@33.025,55 R2.2@33.075,54.95
  Top Layer w0.5: LED1.1@33.075,53.69 R2.2@33.075,54.95
NetLED2_1: LED2.1 R5.2 | length 1.4
  Top Layer w0.2: R5.2@65.225,54.39 LED2.1@66.675,54.39
NetP7_1: P7.1 R11.2 | length 6.8
  Bottom Layer w0.3: v2(67.25,33) 68,33 P7.1@72.25,28.75
NetP7_2: P7.2 R9.2 | length 11.6
  Top Layer w0.2: R9.2@67.25,35.975 v2(67.25,36)
  Bottom Layer w0.3: v2(67.25,36) 67.25,34.183 67.683,33.75 69.79,33.75 P7.2@74.79,28.75
NetP7_3: P7.3 U1.43 | length 29.8
  Top Layer w0.3: v1(52.5,38.25) U1.43@53.5,38.25
  Bottom Layer w0.3: v1(52.5,38.25) 52.581,38.25 52.831,38 68.08,38 P7.3@77.33,28.75
NetP7_4: P7.4 R7.2 U1.44 | length 30.5
  Top Layer w0.3: U1.44@53.5,38.75 v2(55.5,38.75)
  Bottom Layer w0.3: v2(55.5,38.75) 69.87,38.75 P7.4@79.87,28.75
NetQ1_2: Q1.2 R27.3 | length 10.9
  Bottom Layer w0.3: Q1.2@36.665,60.606 36.665,59 37.913,57.752 42.002,57.752 43.46,56.294 R27.3@43.46,54.9
NetQ1_4: Q1.4 R27.2 | length 12.2
  Bottom Layer w0.3: Q1.4@34.125,60.606 34.125,59.07 36.195,57 41.5,57 42.19,56.31 R27.2@42.19,54.9
NetQ1_5: Q1.5 Q1.6 R15.2 R21.2 | length 7.4
  Bottom Layer w1: R15.2@27.75,65.95 R21.2@31.5,65.95 Q1.6@35.195,65.95
NetQ1_7: Q1.7 Q1.8 R16.2 R22.2 | length 7.6
  Bottom Layer w1: Q1.7@36.865,65.95 R16.2@40.75,65.95 R22.2@44.5,65.95
NetQ2_2: Q2.2 R27.5 | length 15.7
  Bottom Layer w0.3: R27.5@46,54.9 46,57.25 46.97,58.22 56.135,58.22 57.165,59.25 Q2.2@57.165,60.606
NetQ2_4: Q2.4 R27.4 | length 14.5
  Bottom Layer w0.3: R27.4@44.73,54.9 44.73,57.752 45.95,58.973 53.887,58.973 54.625,59.71 Q2.4@54.625,60.606
NetQ2_5: Q2.5 Q2.6 R17.2 R23.2 | length 7.4
  Bottom Layer w1: R17.2@48.25,65.95 R23.2@52,65.95 Q2.6@55.695,65.95
NetQ2_7: Q2.7 Q2.8 R18.2 R24.2 | length 7.6
  Bottom Layer w1: Q2.7@57.365,65.95 R24.2@61.25,65.95 R18.2@65,65.95
NetQ3_2: Q3.2 R27.7 | length 32.9
  Bottom Layer w0.3: R27.7@48.54,54.9 48.546,54.906 48.546,56.001 49.26,56.715 75.13,56.715 77.665,59.25 Q3.2@77.665,60.606
NetQ3_4: Q3.4 R27.6 | length 31.8
  Bottom Layer w0.3: R27.6@47.27,54.9 47.27,56.294 48.444,57.468 73.218,57.468 75.125,59.375 Q3.4@75.125,60.606
NetQ3_5: Q3.5 Q3.6 R19.2 R25.2 | length 7.4
  Bottom Layer w1: R25.2@68.75,65.95 R19.2@72.5,65.95 75.125,65.95 Q3.6@76.195,65.95
NetQ3_7: Q3.7 Q3.8 R20.2 R26.2 | length 10.4
  Bottom Layer w1: Q3.7@77.865,65.95 R26.2@81.75,65.95 ; Q3.8@78.935,65.95 R26.2@81.75,65.95 ; R20.2@85.5,65.95 R26.2@81.75,65.95
NetQ4_2: Q4.2 R40.3 | length 22.9
  Bottom Layer w0.3: R40.3@56.6,23.85 56.6,22.445 57.045,22 75.25,22 76.566,20.684 76.566,19.913 Q4.2@76.585,19.894
NetQ4_4: Q4.4 R40.2 | length 23.7
  Bottom Layer w0.3: R40.2@57.87,23.85 57.87,23.13 58.5,22.5 77.25,22.5 79.125,20.625 Q4.4@79.125,19.894
NetQ4_5: Q4.5 Q4.6 R28.2 R34.2 | length 7.4
  Bottom Layer w1: Q4.6@78.055,14.55 R34.2@81.75,14.55 R28.2@85.5,14.55
NetQ4_7: Q4.7 Q4.8 R29.2 R35.2 | length 7.6
  Bottom Layer w1: R35.2@68.75,14.55 R29.2@72.5,14.55 Q4.7@76.385,14.55
NetQ5_2: Q5.2 R40.5 | length 4.8
  Bottom Layer w0.3: R40.5@54.06,23.85 54.06,22.69 56.066,20.684 56.066,19.913 Q5.2@56.085,19.894
NetQ5_4: Q5.4 R40.4 | length 6.2
  Bottom Layer w0.3: R40.4@55.33,23.85 55.33,22.42 56.25,21.5 57.75,21.5 58.606,20.644 58.606,19.913 Q5.4@58.625,19.894
NetQ5_5: Q5.5 Q5.6 R30.2 R36.2 | length 7.4
  Bottom Layer w1: Q5.6@57.555,14.55 R36.2@61.25,14.55 R30.2@65,14.55
NetQ5_7: Q5.7 Q5.8 R31.2 R37.2 | length 7.6
  Bottom Layer w1: R31.2@48.25,14.55 R37.2@52,14.55 Q5.7@55.885,14.55
NetQ6_2: Q6.2 R40.7 | length 18.8
  Bottom Layer w0.3: Q6.2@35.585,19.894 35.585,21.235 36.752,22.402 50.902,22.402 51.52,23.02 R40.7@51.52,23.85
NetQ6_4: Q6.4 R40.6 | length 17.4
  Bottom Layer w0.3: Q6.4@38.125,19.894 38.144,19.913 38.144,21.019 38.875,21.75 51.52,21.75 52.765,22.995 52.765,23.825 R40.6@52.79,23.85
NetQ6_5: Q6.5 Q6.6 R32.2 R38.2 | length 7.4
  Bottom Layer w1: Q6.6@37.055,14.55 R32.2@40.75,14.55 R38.2@44.5,14.55
NetQ6_7: Q6.7 Q6.8 R33.2 R39.2 | length 7.6
  Bottom Layer w1: R33.2@27.75,14.55 R39.2@31.5,14.55 Q6.7@35.385,14.55
NetR8_2: R8.2 R10.1 U1.40 | length 10.1
  Top Layer w0.2: R8.2@48.5,42.5 R10.1@49.817,42.5 49.817,37.863 50.93,36.75 U1.40@53.5,36.75
NetR13_1: R13.1 U1.45 | length 5.4
  Top Layer w0.2: R13.1@51.067,42.5 51.067,39.72 51.538,39.25 U1.45@53.5,39.25
NetR13_2: R13.2 R14.1 U1.46 | length 5.9
  Top Layer w0.2: R13.2@51.067,44.05 51.7,43.418 51.7,43.118 R14.1@52.317,42.5 52.317,39.999 52.567,39.75 U1.46@53.5,39.75
NetR55_1: R55.1 U3.1 U3.4 | length 7.6
  Top Layer w0.2: R55.1@57.127,31.649 57.178,31.7 U3.1@60.625,31.7 61.418,31.7 62,31.118 62,30.25 62.45,29.8 U3.4@63.375,29.8
NetR58_1: R58.1 U1.38 U5.2 | length 23.8
  Top Layer w0.2: U5.2@50.968,52 R58.1@47.608,52 47.608,41.75 48.75,40.608 48.75,37.5 50.5,35.75 U1.38@53.5,35.75
NetR59_1: R59.1 U5.3 | length 2.1
  Top Layer w0.2: R59.1@49.108,51 49.433,51.325 49.773,51.325 49.948,51.5 U5.3@50.968,51.5
THERMISTOR_AMBIENT: C26.6 P4.2 R56.3 U4.26 | length 28.1
  Top Layer w0.2: R56.3@35.6,13.2 v2(35.6,13.25) 35.6,15.35 43.5,23.25 U4.26@45.725,23.25
  Signal w0.2: P4.2@31.25,9.5 32.5,9.5 35.6,12.6 v2(35.6,13.25)
  Bottom Layer w0.2: P4.2@31.25,9.5 32.402,8.348 32.402,3.852 C26.6@32.3,3.75
THERMISTOR_CELL_0: C25.8 P1.10 R51.1 U4.12 | length 52.1
  Top Layer w0.2: U4.12@54.275,23.75 77.25,23.75 83.78,17.22 R51.1@83.78,13.2
  Signal w0.2: v2(83.75,13.25) 86.25,10.75 89,10.75 P1.10@90.25,9.5
  Bottom Layer w0.2: C25.8@86.9,3.75 88,3.75 88.75,4.5 88.75,8 P1.10@90.25,9.5
THERMISTOR_CELL_1: C25.7 P1.9 R51.2 U4.11 | length 47.6
  Top Layer w0.2: U4.11@54.275,23.25 76.75,23.25 82.9,17.1 R51.2@82.9,13.2
  Signal w0.2: v2(82.9,13.25) 82.9,12.6 86,9.5 P1.9@87.25,9.5
  Bottom Layer w0.2: C25.7@86.1,3.75 86.098,3.752 86.098,8.348 P1.9@87.25,9.5
THERMISTOR_CELL_2: C25.6 P1.8 R51.3 U4.10 | length 44.9
  Top Layer w0.2: U4.10@54.275,22.75 76.25,22.75 82.1,16.9 v2(82.1,13.25) R51.3@82.1,13.2
  Signal w0.2: v2(82.1,13.25) 82.1,11.65 P1.8@84.25,9.5
  Bottom Layer w0.2: P1.8@84.25,9.5 85.402,8.348 85.402,3.852 C25.6@85.3,3.75
THERMISTOR_CELL_3: C25.5 P1.7 R51.4 U4.9 | length 44.2
  Top Layer w0.2: U4.9@54.275,22.25 75.75,22.25 81.22,16.78 R51.4@81.22,13.2
  Signal w0.2: P1.7@81.25,9.5 v2(81.25,13.25)
  Bottom Layer w0.2: P1.7@81.25,9.5 82.75,8 82.75,4.5 83.5,3.75 C25.5@84.5,3.75
THERMISTOR_CELL_4: C24.8 P1.6 R52.1 U4.8 | length 37.8
  Top Layer w0.2: U4.8@54.275,21.75 64.75,21.75 71.75,14.75 v2(71.75,13.25) R52.1@71.75,13.2
  Signal w0.2: v2(71.75,13.25) 74.25,10.75 77,10.75 P1.6@78.25,9.5
  Bottom Layer w0.2: C24.8@74.9,3.75 76,3.75 76.75,4.5 76.75,8 P1.6@78.25,9.5
THERMISTOR_CELL_5: C24.7 P1.5 R52.2 U4.7 | length 33.3
  Top Layer w0.2: U4.7@54.275,21.25 64.25,21.25 70.9,14.6 v2(70.9,13.25) R52.2@70.9,13.2
  Signal w0.2: v2(70.9,13.25) 70.9,12.6 74,9.5 P1.5@75.25,9.5
  Bottom Layer w0.2: C24.7@74.1,3.75 74.098,3.752 74.098,8.348 P1.5@75.25,9.5
THERMISTOR_CELL_6: C24.6 P1.4 R52.3 U4.6 | length 30.6
  Top Layer w0.2: U4.6@54.275,20.75 63.75,20.75 70.1,14.4 R52.3@70.1,13.2
  Signal w0.2: v2(70.1,13.25) 70.1,11.65 P1.4@72.25,9.5
  Bottom Layer w0.2: P1.4@72.25,9.5 73.402,8.348 73.402,3.852 C24.6@73.3,3.75
THERMISTOR_CELL_7: C24.5 P1.3 R52.4 U4.5 | length 29.9
  Top Layer w0.2: U4.5@54.275,20.25 63.25,20.25 69.22,14.28 R52.4@69.22,13.2
  Signal w0.2: P1.3@69.25,9.5 v2(69.25,13.25)
  Bottom Layer w0.2: P1.3@69.25,9.5 70.75,8 70.75,4.5 71.5,3.75 C24.5@72.5,3.75
THERMISTOR_CELL_8: C23.8 P1.2 R53.1 U4.4 | length 24.5
  Top Layer w0.2: U4.4@54.275,19.75 56.5,19.75 60.53,15.72 R53.1@60.53,13.2
  Signal w0.2: v2(60.5,13.25) 60.5,12.748 62.573,10.675 65.075,10.675 P1.2@66.25,9.5
  Bottom Layer w0.2: C23.8@60.4,8 64.75,8 P1.2@66.25,9.5
THERMISTOR_CELL_9: C23.7 P1.1 R53.2 U4.3 | length 19.3
  Top Layer w0.2: U4.3@54.275,19.25 56,19.25 59.65,15.6 v2(59.65,13.25)
  Signal w0.2: v2(59.65,13.25) 59.727,13.173 59.727,13.023 P1.1@63.25,9.5
  Bottom Layer w0.2: C23.7@59.6,8 59.6,9 60.1,9.5 P1.1@63.25,9.5
THERMISTOR_CELL_10: C23.6 P4.10 R53.3 U4.2 | length 18.1
  Top Layer w0.2: U4.2@54.275,18.75 55.5,18.75 58.85,15.4 v2(58.85,13.25)
  Signal w0.2: P4.10@55.25,9.5 58.773,13.023 58.773,13.173 v2(58.85,13.25)
  Bottom Layer w0.2: P4.10@55.25,9.5 58.3,9.5 58.8,9 C23.6@58.8,8
THERMISTOR_CELL_11: C23.5 P4.9 R53.4 U4.1 | length 21
  Top Layer w0.2: U4.1@54.275,18.25 55,18.25 57.97,15.28 R53.4@57.97,13.2
  Signal w0.2: P4.9@52.25,9.5 53.425,10.675 55.925,10.675 58,12.75 v2(58,13.25)
  Bottom Layer w0.2: P4.9@52.25,9.5 53.75,8 C23.5@58,8
THERMISTOR_CELL_12: C27.8 P4.8 R54.1 U4.48 | length 17.6
  Top Layer w0.2: R54.1@49.28,13.2 49.83,13.75 51.75,13.75 52.75,14.75 U4.48@52.75,16.725
  Signal w0.2: P4.8@49.25,9.5 v2(49.25,13.25)
  Bottom Layer w0.2: C27.8@45.9,3.75 47,3.75 47.75,4.5 47.75,7.75 49.25,9.25 P4.8@49.25,9.5
THERMISTOR_CELL_13: C27.7 P4.7 R54.2 U4.47 | length 17.6
  Top Layer w0.2: R54.2@48.4,13.2 48.4,13.9 48.75,14.25 51.5,14.25 52.25,15 U4.47@52.25,16.725
  Signal w0.2: P4.7@46.25,9.5 48.4,11.65 v2(48.4,13.25)
  Bottom Layer w0.2: C27.7@45.1,3.75 45.098,3.752 45.098,8.348 P4.7@46.25,9.5
THERMISTOR_CELL_14: C27.6 P4.6 R54.3 U4.46 | length 19.6
  Top Layer w0.2: R54.3@47.6,13.2 v2(47.6,13.25) 47.6,14.1 48.25,14.75 51.25,14.75 51.75,15.25 U4.46@51.75,16.725
  Signal w0.2: P4.6@43.25,9.5 44.5,9.5 47.6,12.6 v2(47.6,13.25)
  Bottom Layer w0.2: P4.6@43.25,9.5 44.402,8.348 44.402,3.852 C27.6@44.3,3.75
THERMISTOR_CELL_15: C27.5 P4.5 R54.4 U4.45 | length 23.4
  Top Layer w0.2: R54.4@46.72,13.2 46.72,14.22 47.75,15.25 51,15.25 51.25,15.5 U4.45@51.25,16.725
  Signal w0.2: P4.5@40.25,9.5 41.5,10.75 44.9,10.75 46.75,12.6 v2(46.75,13.25)
  Bottom Layer w0.2: P4.5@40.25,9.5 41.75,8 41.75,4.5 42.5,3.75 C27.5@43.5,3.75
THERMISTOR_CELL_16: C26.8 P4.4 R56.1 U4.28 | length 24.7
  Top Layer w0.2: R56.1@37.28,13.25 37.28,15.03 44.5,22.25 U4.28@45.725,22.25
  Signal w0.2: P4.4@37.25,9.5 v2(37.25,13.25)
  Bottom Layer w0.2: C26.8@33.9,3.75 35,3.75 35.75,4.5 35.75,8 P4.4@37.25,9.5
THERMISTOR_CELL_17: C26.7 P4.3 R56.2 U4.27 | length 25.4
  Top Layer w0.2: R56.2@36.498,13.25 36.45,13.25 R56.2@36.4,13.2 36.4,15.15 44,22.75 U4.27@45.725,22.75
  Signal w0.2: P4.3@34.25,9.5 36.4,11.65 v2(36.4,13.25)
  Bottom Layer w0.2: C26.7@33.1,3.75 33.098,3.752 33.098,8.348 P4.3@34.25,9.5
THERMISTOR_PCB: R56.4 RT1.2 U4.25 | length 30
  Top Layer w0.2: RT1.2@23,9.5 26.7,13.2 R56.4@34.72,13.2 34.72,15.47 43,23.75 U4.25@45.725,23.75
pads on no net: C26.5 P1.0 P2.0 P2.8 P3.0 P3.16 P4.0 P4.1 P5. P6. R27.1 R27.8 R27.9 R27.16 R40.1 R40.8 R40.9 R40.16 U1.28 U1.39 U4.15 U4.16 U4.20 U4.21 U4.22 U4.29 U4.30 U4.31 U4.32 U4.33 U4.34 U4.35 U4.36 U4.37 U4.38 U4.39 U4.40 U4.41 U4.42 U4.44 U5.4 U5.7 U5.8 U6.4 XFMR1.4 XFMR1.5 XFMR1.10 XFMR1.12 XFMR1.13 XFMR1.15
copper on no net:
  other v1: 30.75,2 34.72,2 42.75,2 46.75,2 71.75,2 75.75,2 83.75,2 87.75,2 57.25,6.25 61.25,6.25

## Polygon pours and split planes (outlines as drawn)
FUSED_VBAT- on Ground "FUSED_VBAT-_L02_P051" (solid, pour order 51): 0,70 0,0 100,0 100,70
FUSED_VBAT- on Signal "COMPONENT_SIDE_NONET_P-001" (solid, remove dead copper, pour order 53): -2.5,70 -2.5,-2.5 100,-2.5 100,70
5V0 on Signal "5V0_L03_P052" (solid, pour order 52): 48.25,56.5 48.25,24 69,24 69,56.5
FUSED_VBAT- on Top Layer "Top Layer-FUSED_VBAT-" (solid, pour order 56): 0.248,0.098 100.248,0.098 100.248,70 0.248,70
FUSED_VBAT- on Bottom Layer "FUSED_VBAT-_L04_P055" (solid, pour order 55): -0.056,0.032 -0.056,70 99.944,70 99.944,0.032

## Keep-outs
Keep-Out Layer:
  the board outline again, w0.254

## Other copper
Top Layer:
  pour cut-out: 56.25,56.25 56.25,53.25 56.5,53.25 56.5,56.25
  pour cut-out: 54.209,48.275 54.358,48.275 54.358,49.185 54.209,49.333
  pour cut-out: 51.5,49.36 51.5,49.05 54.2,49.05 54.209,49.041 54.209,49.333
  pour cut-out: 63.488,48.262 63.488,48.488 63.475,48.5 54.209,48.5 54.209,48.246
  pour cut-out: 56.5,55.5 63,55.5 63,48.25 56.5,48.25
  pour cut-out: 63.25,56.25
  pour cut-out: 51.5,56.25 51.5,56.5 56.5,56.5 56.5,56.25
  pour cut-out: 51.75,56.25 51.75,49.333 51.528,49.333 51.5,49.36 51.5,56.25
  pour cut-out: 49.65,55.85
  pour cut-out: 69.145,44.418 69.145,46.88 84.65,46.88 84.65,51.755 98.87,51.755 98.87,26.95 84.57,26.95 84.57,31.4 69.063,31.4
Signal:
  pour cut-out: 51.05,29.35

## Silkscreen, mask and mechanical layers (free items; w line width, h text height)
Top Overlay:
  text "MSXIV BMS AFE / REV '.ProjectRevision'" at 77.5,64 h1.2
  text "5V" at 65.35,52.65 h0.8
  text "VBAT FUSED" at 28,52.25 h0.8
  text "PORT B: / TO NEXT AFE" at 88.1,49.35 h0.8
  text "IP" at 85.757,45.415 h0.8
  text "IN" at 85.75,43.25 h0.8
  text "IP" at 85.75,33.25 h0.8
  text "IN" at 85.757,31.25 h0.8
  text "CS" at 71.75,27.25 h0.8 r270
  text "SCK" at 74.5,27.25 h0.8 r270
  text "SDI" at 77,27.25 h0.8 r270
  text "SDO" at 79.5,27.25 h0.8 r270
  text "GND" at 82,27.25 h0.8 r270
  text "PORT A: / TO BMS CARRIER" at 87,25.75 h0.8
  text "PCB  / TEMP" at 18.75,7 h0.8
Bottom Overlay:
  drawing of 11 lines, arcs and shapes, not listed
  text "CELL 12" at 5.5,58.25 h0.8
  text "CELL 7" at 5.25,40 h0.8
  text "CELL 6" at 5.25,32 h0.8
  text "CELL 1" at 5.25,10.75 h0.8
  text "NC" at 28.75,10.75 h0.8
  text "EXTRA" at 33.25,10.75 h0.8
  text "18" at 35,10.75 h0.8
  text "11" at 55.75,10.75 h0.8
  text "10" at 63.75,10.75 h0.8
  text "1" at 90.25,10.75 h0.8
  text "BALANCING" at 6.75,9.75 h0.8 r90
  text "CELLS" at 10,9.75 h0.8 r90
  text "THERMISTORS" at 99.75,9 h0.8
  text "GND" at 93.5,6 h0.8